# Altium PCB PCB5.PcbDoc (part 2 of 2)
Units mm, origin at the board's own origin, x right, y up, seen from the top; angles counter-clockwise.
Board outline 73.53 x 115.71 mm, 4 copper layers (Top Layer, GROUND, POWER, Bottom Layer), stack 0.603 mm thick; 96 components, 79 nets, 386 pads, 1017 vias.
Unrouted connection lines stored in the file: 10.
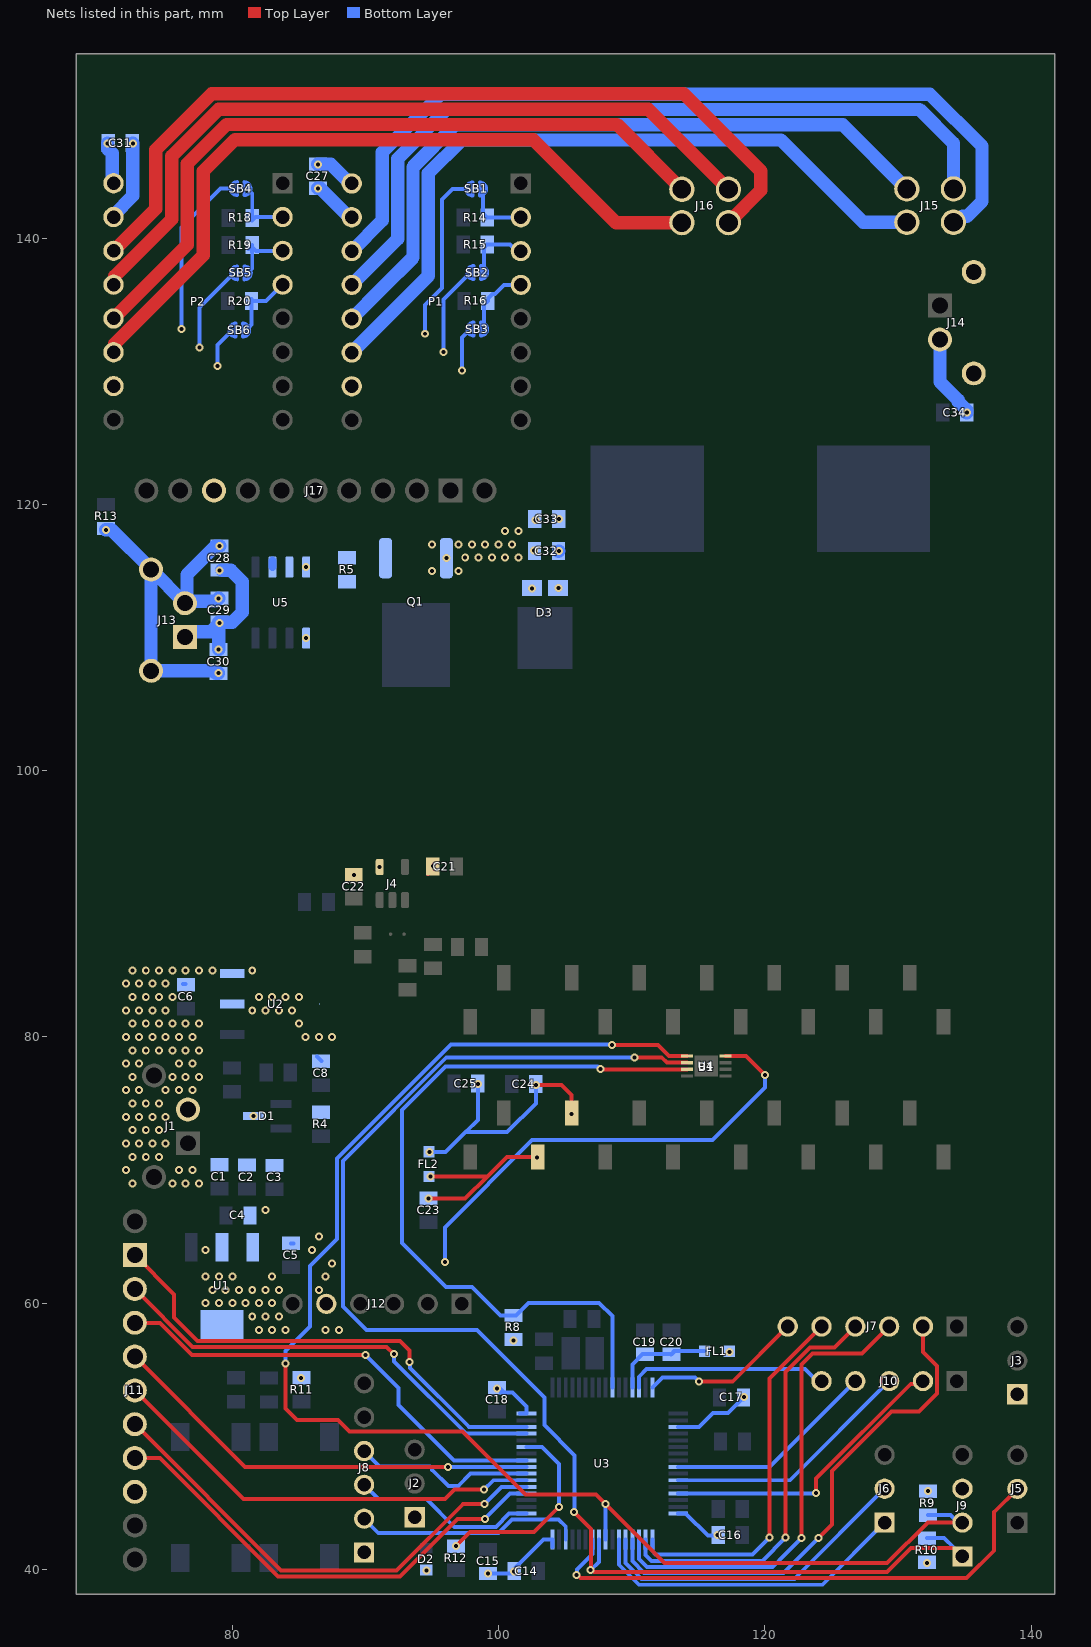
[diagram p4: the nets of this part, all layers, seen from the top]

## Via types
v1: diameter 0.6, hole 0.3, Top Layer to Bottom Layer, 1017 vias

## Nets (pads, with @x,y where several pads share a name; then routed paths per layer and width w, separated by ;. In a path a pad name is that pad's centre, name@x,y a point inside that pad or via, vN(x,y) a via of type N, cw(c..) or ccw(c..) an arc to the next point about the centre after c; other vN are vias at no path point) (continued)
NetJ5_02: J5.02 U3.42 | length 40.8
  Top Layer w0.3: v1(105.85,39.6) 105.926,39.6 106.176,39.35 135.168,39.35 137.239,41.42 137.239,44.314 J5.02@138.975,46.05
  Bottom Layer w0.3: v1(105.85,39.6) 105.905,39.655 105.905,40.005 107.05,41.15 U3.42@107.05,42.25
NetJ6_01: J6.01 U3.38 | length 24.4
  Bottom Layer w0.3: U3.38@109.05,42.25 109.05,40.352 110.552,38.85 124.325,38.85 J6.01@129,43.525
NetJ6_02: J6.02 U3.37 | length 24.5
  Bottom Layer w0.3: U3.37@109.55,42.25 109.55,40.489 110.739,39.3 122.235,39.3 J6.02@129,46.065
NetJ7_02: J7.02 U3.36 | length 38.3
  Top Layer w0.3: v1(124.025,42.35) 125.05,43.375 125.05,47.389 129.536,51.875 131.6,51.875 132.947,53.222 132.947,55.283 131.885,56.345 J7.02@131.885,58.25
  Bottom Layer w0.3: U3.36@110.05,42.25 110.05,40.625 110.925,39.75 121.425,39.75 v1(124.025,42.35)
NetJ7_03: J7.03 U3.35 | length 35.6
  Top Layer w0.3: v1(122.775,42.375) 122.775,55.4 123.6,56.225 127.32,56.225 J7.03@129.345,58.25
  Bottom Layer w0.3: U3.35@110.55,42.25 110.55,40.8 111.15,40.2 120.6,40.2 121.5,41.1 v1(122.775,42.375)
NetJ7_04: J7.04 U3.34 | length 31.6
  Top Layer w0.3: v1@121.575,42.426 121.575,54.836 123.414,56.675 125.23,56.675 J7.04@126.805,58.25
  Bottom Layer w0.3: U3.34@111.05,42.25 111.05,41.1 111.5,40.65 119.825,40.65 v1(121.575,42.4)
NetJ7_05: J7.05 U3.33 | length 27.8
  Top Layer w0.3: v1(120.35,42.4) 120.35,54.335 J7.05@124.265,58.25
  Bottom Layer w0.3: U3.33@111.55,42.25 111.55,41.375 111.8,41.125 119.075,41.125 v1(120.35,42.4)
NetJ7_06: J7.06 U3.16 | length 12.3
  Top Layer w0.3: v1(115.074,54.1) 117.575,54.1 J7.06@121.725,58.25
  Bottom Layer w0.3: U3.16@111.55,53.65 112.325,54.425 114.749,54.425 v1(115.074,54.1)
NetJ8_02: J8.02 U3.46 | length 17.2
  Bottom Layer w0.3: J8.02@89.9,43.815 90.965,42.75 100,42.75 101,43.75 104.511,43.75 105.05,43.211 U3.46@105.05,42.25
NetJ8_03: J8.03 U3.49 | length 13.9
  Bottom Layer w0.3: J8.03@89.9,46.355 90.98,45.275 94.6,45.275 96.675,43.2 99.8,43.2 100.8,44.2 U3.49@102.1,44.2
NetJ8_04: J8.04 U3.55 | length 13.7
  Bottom Layer w0.3: J8.04@89.9,48.895 91.07,47.725 94.845,47.725 95.021,47.549 95.021,47.479 96.225,46.275 96.975,46.275 97.9,47.2 U3.55@102.1,47.2
NetJ9_01: J9.01 R10.1 U3.41 U4.2 | length 107.4
  Top Layer w0.3: v1(105.675,44.325) 106.95,43.05 106.95,39.975 v1(106.925,39.95) 107.006,39.95 107.156,39.8 129.175,39.8 130.975,41.6 134.062,41.6 134.07,41.592 134.238,41.592 J9.01@134.85,40.98 ; v1(110.2,78.475) 112.249,78.475 112.657,78.067 U4.2@114.162,78.067
  Bottom Layer w0.3: v1(105.675,44.325) 105.725,44.375 105.725,48.575 103.45,50.85 103.45,52.925 98.4,57.975 90.075,57.975 88.3,59.75 88.3,70.686 96.089,78.475 v1(110.2,78.475) ; v1(106.925,39.95) 107.55,40.575 U3.41@107.55,42.25 ; R10.1@132.175,42.35 133.48,42.35 134.238,41.592 J9.01@134.85,40.98
NetJ9_02: J9.02 R9.1 U3.40 U4.1 | length 113.1
  Top Layer w0.3: v1(84,55.475) 84,52.075 84.85,51.225 87.95,51.225 88.802,50.373 97.285,50.373 97.705,49.953 97.705,49.944 102.024,45.625 107.325,45.625 v1(108.025,44.925) 112.475,40.475 129.2,40.475 132.245,43.52 J9.02@134.85,43.52 ; v1(108.525,79.4) 108.531,79.394 111.967,79.394 112.793,78.567 U4.1@114.162,78.567
  Bottom Layer w0.3: v1(84,55.475) 84,56.425 85.825,58.25 85.825,62.8 87.85,64.825 87.85,70.873 96.427,79.45 108.475,79.45 v1(108.525,79.4) ; v1(108.025,44.925) 108.05,44.9 U3.40@108.05,42.25 ; R9.1@132.25,44.075 133.964,44.075 134.519,43.52 J9.02@134.85,43.52
NetJ10_02: J10.02 U3.29 | length 22.5
  Top Layer w0.3: v1@123.85,45.736 123.85,46.825 130.973,53.948 131.683,53.948 J10.02@131.885,54.15
  Bottom Layer w0.3: U3.29@113.5,45.7 123.825,45.7 v1(123.85,45.725)
NetJ10_03: J10.03 U3.27 | length 18.9
  Bottom Layer w0.3: U3.27@113.5,46.7 121.895,46.7 J10.03@129.345,54.15
NetJ10_04: J10.04 U3.25 | length 16
  Bottom Layer w0.3: U3.25@113.5,47.7 120.355,47.7 J10.04@126.805,54.15
NetJ10_05: J10.05 U3.14 | length 15.2
  Bottom Layer w0.3: U3.14@110.55,53.65 110.55,54.474 111.126,55.05 123.034,55.05 123.934,54.15 J10.05@124.265,54.15
NetJ11_1: J11.1 U3.62 | length 36.5
  Top Layer w0.3: J11.1@72.675,63.61 75.625,60.66 75.625,58.925 77.375,57.175 92.589,57.175 93.325,56.439 v1(93.325,55.575)
  Bottom Layer w0.3: v1(93.325,55.575) 93.355,55.545 93.355,55.145 97.8,50.7 U3.62@102.1,50.7
NetJ11_2: J11.2 U3.61 | length 34.2
  Top Layer w0.3: J11.2@72.675,61.07 77.02,56.725 91.6,56.725 v1(92.15,56.175)
  Bottom Layer w0.3: v1(92.15,56.175) 92.15,55.625 97.575,50.2 U3.61@102.1,50.2
NetJ11_3: J11.3 U3.57 | length 34.5
  Top Layer w0.3: J11.3@72.675,58.53 74.579,58.53 76.984,56.125 v1(90,56.125)
  Bottom Layer w0.3: v1(90,56.125) 92.5,53.625 92.5,52.35 96.65,48.2 U3.57@102.1,48.2
NetJ11_4: J11.4 U3.56 | length 32.9
  Top Layer w0.3: J11.4@72.675,55.99 80.965,47.7 v1(96.2,47.7)
  Bottom Layer w0.3: v1(96.2,47.7) U3.56@102.1,47.7
NetJ11_5: J11.5 U3.54 | length 33.4
  Top Layer w0.3: J11.5@72.675,53.45 80.832,45.293 95.993,45.293 96.7,46 v1(98.925,46)
  Bottom Layer w0.3: v1(98.925,46) 99.625,46.7 U3.54@102.1,46.7
NetJ11_6: J11.6 U3.53 | length 36.6
  Top Layer w0.3: J11.6@72.675,50.91 83.66,39.925 92.35,39.925 97.35,44.925 v1(98.95,44.925)
  Bottom Layer w0.3: v1(98.95,44.925) 100.225,46.2 U3.53@102.1,46.2
NetJ11_7: J11.7 U3.52 | length 35.7
  Top Layer w0.3: J11.7@72.675,48.37 74.555,48.37 83.45,39.475 92.6,39.475 96.925,43.8 v1(98.975,43.8)
  Bottom Layer w0.3: v1(98.975,43.8) 98.975,43.825 100.85,45.7 U3.52@102.1,45.7
NetJ15_1: J15.1 P1.11 | length 55.4
  Bottom Layer w1: P1.11@88.975,131.415 94.725,137.165 94.725,144.875 97.225,147.375 121.225,147.375 127.4,141.2 J15.1@130.675,141.2
NetJ15_2: J15.2 P1.14 | length 63.8
  Bottom Layer w1: P1.14@88.975,139.035 91.275,141.335 91.275,146.451 95.649,150.825 132.4,150.825 136.325,146.9 136.325,142.775 135.197,141.647 134.867,141.647 134.37,141.15 J15.2@134.175,141.15
NetJ15_3: J15.3 P1.12 | length 53.7
  Bottom Layer w1: P1.12@88.975,133.955 91.248,136.228 93.575,138.555 93.575,145.351 96.749,148.525 102.876,148.525 125.85,148.525 J15.3@130.675,143.7
NetJ15_4: J15.4 P1.13 | length 58.7
  Bottom Layer w1: P1.13@88.975,136.495 92.425,139.945 92.425,145.975 96.125,149.675 101.847,149.675 131.625,149.675 134.175,147.125 J15.4@134.175,143.7
NetJ16_1: J16.1 P2.11 | length 55.9
  Top Layer w1: P2.11@71.08,131.434 71.18,131.534 71.18,132.077 77.825,138.722 77.825,145.025 80.2,147.4 102.6,147.4 108.825,141.175 J16.1@113.775,141.175
NetJ16_2: J16.2 P2.14 | length 63.4
  Top Layer w1: P2.14@71.08,139.054 74.25,142.224 74.25,146.65 78.45,150.85 113.9,150.85 119.7,145.05 119.7,143.6 J16.2@117.275,141.175
NetJ16_3: J16.3 P2.12 | length 54.3
  Top Layer w1: P2.12@71.08,133.974 76.625,139.519 76.625,145.6 79.575,148.55 108.9,148.55 J16.3@113.775,143.675
NetJ16_4: J16.4 P2.13 | length 57.6
  Top Layer w1: P2.13@71.18,136.514 71.18,137.157 75.45,141.427 75.45,146.175 78.975,149.7 111.25,149.7 J16.4@117.535,143.415
NetP1_2: P1.2 R14.2 SB1.2 | length 4.8
  Bottom Layer w0.3: SB1.2@98.833,143.7 98.833,143.26 98.833,141.867 R14.2@99.15,141.55 99.175,141.575 P1.2@101.675,141.575
NetP1_3: P1.3 R15.2 SB2.2 | length 4.9
  Bottom Layer w0.3: SB2.2@98.908,137.425 98.908,137.865 98.908,139.283 R15.2@99.15,139.525 100.854,139.525 101.344,139.035 P1.3@101.675,139.035
NetP1_4: P1.4 R16.2 SB3.2 | length 5.3
  Bottom Layer w0.3: SB3.2@98.908,133.175 98.908,133.615 98.908,135.008 R16.2@99.2,135.3 99.2,135.475 99.55,135.825 99.725,135.825 100.395,136.495 P1.4@101.675,136.495
NetP2_2: P2.2 R18.2 SB4.2 | length 5.3
  Bottom Layer w0.3: SB4.2@81.133,143.725 81.342,143.516 81.5,143.358 R18.2@81.5,141.525 R18.2@81.15,141.875 ; R18.2@81.475,141.325 81.744,141.594 P2.2@83.78,141.594
NetP2_3: P2.3 R19.2 SB5.2 | length 5.2
  Bottom Layer w0.3: SB5.2@81.158,137.4 81.367,137.609 81.5,137.742 R19.2@81.5,139.325 ; R19.2@81.233,139.208 R19.2@81.5,139.475 R19.2@81.5,139.325 ; R19.2@81.475,138.975 R19.2@81.475,139.15 ; P2.3@83.78,139.054 81.771,139.054 R19.2@81.5,139.325
NetP2_4: P2.4 R20.2 SB6.2 | length 5.4
  Bottom Layer w0.3: SB6.2@81.033,133.1 81.242,133.309 81.45,133.517 R20.2@81.45,135.275 ; R20.2@81.45,135.45 R20.2@81.45,135.275 ; R20.2@81.489,135.314 R20.2@81.45,135.275 ; P2.4@83.78,136.514 82.541,135.275 R20.2@81.45,135.275
NetQ1_1: Q1.1 R5.2
NetR5_1: R5.1 U5.6 U5.7 | length 0.5
  Bottom Layer w0.6: U5.6@83.015,115.295 83.015,115.785 U5.6@83.035,115.785
NetR8_1: R8.1 U3.10 U4.3 | length 57.1
  Top Layer w0.3: v1(107.675,77.6) 107.708,77.567 U4.3@114.162,77.567
  Bottom Layer w0.3: v1(107.675,77.6) 107.594,77.6 107.419,77.775 96.025,77.775 92.75,74.5 92.75,64.525 96.05,61.225 98,61.225 100.15,59.075 R8.1@101.125,59.075 101.3,59.075 102.25,60.025 107.549,60.025 108.55,59.024 U3.10@108.55,53.65
NetR12_1: R12.1 U3.59 | length 15.2
  Top Layer w0.3: v1(96.8,41.75) 97.85,42.8 102.65,42.8 v1(104.525,44.675)
  Bottom Layer w0.3: U3.59@102.1,49.2 103.275,49.2 104.55,47.925 104.55,44.7 v1(104.525,44.675)
PGND2: C27.2 C28.1 C29.1 C30.1 C31.2 C32.1 C33.1 C34.1 D3.1 D3.2 J13.2 J13.MH1 J13.MH2 J14.2 J14.MH1 J14.MH2 P1.15 P2.15 R13.2 | length 46.5
  Bottom Layer w0.3: v1(70.5,118.1) R13.2@70.75,117.85 ; C30.1@78.625,107.65 78.925,107.35 C30.1@78.975,107.3 ; C29.1@78.85,112.95 v1(78.975,112.95) C29.1@79.025,112.95 C29.1@79.2,112.95 ; C28.1@78.85,116.875 C28.1@79.025,116.875 ; P1.15@88.775,141.575 P1.15@88.975,141.575
  Bottom Layer w1: v1(70.5,118.1) 70.925,118.1 J13.MH2@73.9,115.125 ; P2.15@71.08,141.594 71.08,141.736 72.525,143.181 v1(72.525,147.125) ; C30.1@78.925,107.35 v1(78.95,107.35) ; C30.1@78.95,107.3 78.8,107.3 78.595,107.505 J13.MH1@73.9,107.505 J13.MH2@73.9,115.125 ; v1(78.975,112.95) 78.763,112.738 J13.2@76.593,112.738 ; v1(79.05,116.875) 78.731,116.875 76.593,114.737 J13.2@76.593,112.738 ; v1(86.425,143.75) 86.6,143.75 88.675,141.675 88.875,141.675 P1.15@88.975,141.575 ; C32.1@104.5,116.475 v1(104.525,116.5) ; J14.2@133.16,132.39 133.16,129.209 134.525,127.844 134.525,127.725 135.175,127.075 v1(135.175,126.9) ; J13.MH2@73.9,115.125 J13.2@76.44,112.585 J13.2@76.593,112.738
  other v1: 102.525,113.7 104.5,113.725 104.525,118.9
VBB2: C27.1 C28.2 C29.2 C30.2 C31.1 C32.2 C33.2 J13.1 P1.16 P2.16 Q1.3 U5.1 U5.8 | length 19
  Bottom Layer w0.3: P2.16@71.08,144.134 P2.16@71.08,144.465 ; C29.2@79.025,111.15 C29.2@79.174,111.299 ; C28.2@79.025,115.075 79.05,115.075 C28.2@79.2,115.075
  Bottom Layer w1: v1(70.625,147.125) 70.625,146.731 70.98,146.376 70.98,144.234 P2.16@71.08,144.134 ; J13.1@76.84,109.645 J13.1@76.44,110.045 76.84,110.445 78.395,110.445 v1(79.05,111.1) C29.2@79.1,111.15 ; v1(78.975,109.1) 78.975,111.15 C29.2@79.05,111.15 ; C29.2@79.15,111.15 80,111.15 80.748,111.898 80.748,114.202 79.9,115.05 79.225,115.05 C28.2@79.2,115.075 ; v1(86.425,145.55) 87.398,145.55 88.833,144.115 P1.16@88.975,144.115
  other v1: 85.555,109.955 95,115 97,115 79.05,115.05 85.555,115.295 96.086,115.965 97.5,116 98.5,116 99.5,116 100.5,116 101.5,116 102.675,116.55 95,117 97,117 98,117 99,117 100,117 101,117 100.5,118 101.5,118 102.775,118.825
VCC: C1.2 C2.2 C3.2 C4.2 C6.2 J1.2 U1.3 U2.3 | length 0.2
  Bottom Layer w0.3: C6.2@76.3,83.975 C6.2@76.5,83.975
  other v1: 82.5,67 72.5,69 75.5,69 76.5,69 77.5,69 72,70 76,70 77,70 72.5,71 73.5,71 74.5,71 72,72 73,72 74,72 75,72 72.5,73 73.5,73 74.5,73 72,74 73,74 74,74 75,74 72.5,75 73.5,75 74.5,75 72,76 73,76 75,76 76,76 77,76 72.5,77 75.5,77 76.5,77 77.5,77 72,78 73,78 76,78 77,78 72.5,79 73.5,79 74.5,79 75.5,79 76.5,79 77.5,79 72,80 73,80 74,80 75,80 76,80 77,80 72.5,81 73.5,81 74.5,81 75.5,81 76.5,81 77.5,81 72,82 73,82 74,82 75,82 72.5,83 73.5,83 74.5,83 75.5,83 72,84 73,84 74,84 75,84 72.5,85 73.5,85 74.5,85 75.5,85 76.5,85 77.5,85 78.5,85 81.5,85
VDD: C5.2 C14.1 C15.1 C16.1 C17.1 C18.1 D2.A FL1.2 J2.01 J3.01 J8.01 J9.03 J11.8 J12.05 R8.2 R9.2 R10.2 R11.2 U1.2 U1.4 U3.19 U3.32 U3.48 U3.64 U4.8 | length 56.6
  Top Layer w0.3: U4.8@117.052,78.567 118.608,78.567 v1(120.025,77.15)
  Bottom Layer w0.3: C5.2@84.425,64.5 C5.2@84.6,64.5 ; v1(95.975,63.1) 95.975,65.7 102.525,72.25 116.075,72.25 120.025,76.2 v1(120.025,77.15) ; C15.1@99.3,39.775 v1(99.225,39.7) 101.025,39.7 v1(101.175,39.85) C14.1@101.175,39.875 101.175,40.05 103.375,42.25 U3.48@104.05,42.25 U3.48@104.05,41.669 ; U3.64@101.601,51.7 U3.64@102.1,51.7 102.1,52.25 101.05,53.3 C18.1@100.425,53.3 ; U3.32@113.5,44.2 114.1,44.2 114.1,44.175 115.726,42.549 116.44,42.549 v1(116.466,42.575) ; U3.19@113.5,50.7 115.075,50.7 116.125,51.75 117.25,51.75 118.4,52.9 C17.1@118.4,52.925 ; C17.1@118.4,52.75 118.45,52.8 v1(118.45,52.95) ; C18.1@100.425,53.3 100.2,53.3 v1(99.9,53.6) 100.125,53.6 C18.1@100.425,53.3
  other v1: 94.6,39.925 132.175,40.475 132.275,45.875 85.175,54.375 117.35,56.35 101.125,57.2 82,58 83,58 84,58 87,58 88,58 81.5,59 82.5,59 83.5,59 78,60 79,60 80,60 81,60 82,60 83,60 78.5,61 79.5,61 80.5,61 81.5,61 82.5,61 83.5,61 86.5,61 78,62 79,62 80,62 83,62 87,62 87.5,63 78,64 86,64 86.5,65
VDD2: J17.8 P1.10 P2.10 SB1.1 SB2.1 SB3.1 SB4.1 SB5.1 SB6.1 | length 45.8
  Bottom Layer w0.3: v1(76.2,133.175) 76.2,140.8 79.125,143.725 SB4.1@80.117,143.725 ; v1(77.55,131.8) 77.55,134.808 SB5.1@80.142,137.4 ; v1(78.9,130.4) 78.9,131.983 SB6.1@80.017,133.1 ; v1(94.475,132.825) 94.475,134.975 95.75,136.25 95.75,142.9 96.55,143.7 SB1.1@97.817,143.7 ; v1(95.85,131.45) 95.85,135.383 SB2.1@97.892,137.425 ; v1(97.25,130.05) 97.25,132.533 SB3.1@97.892,133.175
VDDA: C19.1 C20.1 FL1.1 U3.13 | length 7.9
  Bottom Layer w0.3: U3.13@110.05,53.65 110.05,55.4 110.825,56.175 C19.1@111,56.175 C20.1@113,56.175 ; C20.1@112.975,56.15 C20.1@113,56.175 ; C20.1@113.175,56.35 C20.1@113.015,56.19 ; FL1.1@115.471,56.4 113.175,56.4 112.975,56.2 112.985,56.19 C20.1@113.015,56.19 ; C20.1@113,56.175 C20.1@113.015,56.19
VTCD: B1.1 C8.2 C23.1 D1.3 FL2.2 R4.1 U2.2 U2.4 | length 14.4
  Top Layer w0.3: v1(94.725,67.85) 97.494,67.85 99.169,69.525 ; v1(94.875,69.525) 99.169,69.525 ; B1.1@102.948,70.981 100.625,70.981 99.169,69.525
  Bottom Layer w0.3: C8.2@86.375,78.525 C8.2@86.7,78.2 ; C23.1@94.75,67.875 C23.1@94.925,67.875
  other v1: 102.9,70.95 81.584,74.05 85.5,80 86.5,80 87.5,80 85,81 81.5,82 82.5,82 83.5,82 84.5,82 82,83 83,83 84,83 85,83
VTCDA: B1.2 C21.1 C22.1 C24.1 C25.1 FL2.1 J4.5 | length 20.2
  Top Layer w0.3: v1(89.125,92.175) C22.1@89.3,92.175 ; C21.1@94.7,92.25 94.7,92.45 C21.1@95.05,92.8 ; v1(102.8,76.4) 104.725,76.4 105.488,75.637 B1.2@105.488,74.281
  Bottom Layer w0.3: FL2.1@94.8,71.35 96.025,71.35 97.525,72.85 100.639,72.85 102.8,75.011 v1(102.8,76.4) C24.1@102.8,76.45 C24.1@102.85,76.4 ; 97.575,72.9 98.45,73.775 C25.1@98.45,76.5
  other v1: 94.8,71.375 105.5,74.225 98.475,76.45 91.075,92.77 95.075,92.825
pads on no net: D1.2 U3.1 U3.2 U3.3 U3.4 U3.8 U3.9 U3.11 U3.23 U3.24 U3.39 U3.44 U3.45 U3.50 U3.51 U5.3

## Polygon pours and split planes (outlines as drawn)
VDD on Bottom Layer "VDD_L04_P009" (solid, remove dead copper, pour order 9): 77.525,65.475 77.525,57.225 88.625,57.225 88.625,65.55 82.5,65.55 82.5,64.6 82.5,62.5 80.125,62.5 80.125,63.45 80.125,65.475
VCC on Bottom Layer "VCC_L04_P034" (solid, remove dead copper, pour order 34): 78.1,84.25 78.575,84.25 81.925,84.25 81.925,85.8 71.675,85.8 71.675,72.575 71.675,67.725 74.3,67.725 74.3,65.775 80.625,65.775 80.625,65.55 80.625,65.325 80.625,65.025 80.625,63 82.3,63 82.3,63.1 82.3,63.225 82.3,65.975 84.525,68.2 84.525,71.2 82.375,71.2 78.1,71.2 78.1,71.95
NetC7_2 on Bottom Layer "NETC7_2_L04_P032" (solid, remove dead copper, pour order 32): 82.6,71.65 82.6,72.025 82.6,73.725 82.6,75.25 81.525,75.25 81.525,76.725 78.65,76.725 78.65,81.075 83.425,81.075 83.425,76.075 85.4,76.075 85.4,73.55 88.05,73.55 88.05,71.65
VTCD on Bottom Layer "VTCD_L04_P033" (solid, remove dead copper, pour order 33): 78.55,83.8 78.425,83.8 78.425,81.35 84.3,81.35 84.325,81.35 84.325,81.275 84.325,79.075 85.475,79.075 85.625,79.075 85.625,73.7 88.125,73.7 88.125,84.4 82.325,84.4 82.325,83.8
NetQ1_1 on Bottom Layer "NETQ1_1_L04_P031" (solid, remove dead copper, pour order 31): 87.45,117.875 87.45,115.1 88.175,115.1 90.45,115.1 90.45,114.175 91.125,114.175 92.75,114.175 92.75,117.75 92.75,117.875
NetR5_1 on Bottom Layer "NETR5_1_L04_P030" (solid, remove dead copper, pour order 30): 82.475,117.749 82.475,113.125 90,113.125 90.05,113.125 90.05,113.325 90.05,114.95 87.275,114.95 87.275,116.5 87.275,117.749
NetC34_2 on Bottom Layer "NETC34_2_L04_P029" (solid, remove dead copper, pour order 29): 121.875,105.875 121.875,138.675 121.875,139.25 140.825,139.25 140.825,105.824 140.3,105.825
VBB2 on Bottom Layer "VBB2_L04_P027" (solid, remove dead copper, pour order 27): 103.6,120 103.6,119.975 103.6,115.2 97.8,115.2 97.8,114.025 94.7,114.025 94.7,117.975 94.925,117.975 99.675,117.975 101.65,120
NetD3_3 on Bottom Layer "NETD3_3_L04_P025" (solid, remove dead copper, pour order 25): 106.075,112.825 88.35,112.825 88.35,106 120.575,106 120.575,126.25 106.075,126.25
AGND on Top Layer "AGND_L01_P035" (solid, remove dead copper, pour order 35): 92.7,61.59 94.065,58.987 94.825,58.15 98.325,54.725 98.325,52.109 99.841,50.65 114.975,50.65 115.35,50.65 118.5,50.65 118.5,48.7 99.85,48.7 95,53.55 95,55.25 95,55.365 91.107,59.257 90.611,60.489 89.75,61.775 89.4,63.125 89.4,64.775 89.387,64.788 89.387,76.062 89.375,76.075 89.375,83.65 88.025,85 88.025,85.2 88.025,92.95 88.775,93.7 96.375,93.7 96.375,91.6 101.175,86.8 106.825,86.8 106.825,82.75 101.908,82.75 96.375,83.05 96.375,80.05 92.7,80.05
AGND on Top Layer "AGND_L01_P014" (solid, remove dead copper, pour order 14): 96.3,81.775 96.3,80.05 96.225,79.975 96.275,79.925 121.975,79.925 121.975,75.725 114.95,75.725 114.95,69.8 135.05,69.8 135.075,69.825 135.075,85.65 106.825,85.65 106.825,83.05 96.25,83.05
NetD3_3 on Top Layer "NETD3_3_L01_P024" (solid, remove dead copper, pour order 24): 131.375,136.65 131.375,105.875 88.35,105.875 88.35,112.925 106.275,112.925 106.275,136.65
VCC on POWER (split plane): 141.29,95.061 102.172,95.061 101.912,95.061 101.872,95.057 101.832,95.055 101.319,94.974 101.28,94.964 101.241,94.955 100.747,94.795 100.711,94.778 100.673,94.764 100.256,94.551 88.925,94.551 88.866,94.546 88.81,94.529 88.758,94.501 88.712,94.463 86.137,91.888 86.099,91.842 86.071,91.79 86.054,91.734 86.049,91.675 86.049,86.776 84.725,86.776 84.666,86.771 84.61,86.754 84.558,86.726 84.512,86.688 81.95,84.126 78.4,84.126 78.341,84.121 78.285,84.104 78.233,84.076 78.187,84.038 78.149,83.992 78.121,83.94 78.104,83.884 78.099,83.825 78.099,82.775 78.099,76.425 78.099,73.6 78.104,73.541 78.121,73.485 78.149,73.433 78.187,73.387 80.187,71.387 80.233,71.349 80.285,71.321 80.341,71.304 80.4,71.299 84.05,71.299 84.574,70.775 84.574,68.15 82.562,66.138 82.524,66.092 82.496,66.04 82.479,65.984 82.474,65.925 82.474,63.025 81.9,62.451 81.125,62.451 80.726,62.85 80.726,65.15 80.721,65.209 80.704,65.265 80.676,65.317 80.638,65.363 77.938,68.063 77.892,68.101 77.84,68.129 77.784,68.146 77.725,68.151 68.777,68.151 68.777,104.523 141.29,104.523
VDD2 on POWER (split plane): 103.349,142.9 103.349,122.425 102.012,121.088 100.325,119.401 68.777,119.401 68.777,132.074 72.925,132.074 72.984,132.079 73.04,132.096 73.092,132.124 73.138,132.162 76.413,135.437 76.451,135.483 76.479,135.535 76.496,135.591 76.501,135.65 76.501,141.875 79.325,144.699 82.275,144.699 85.174,141.8 85.174,132.525 85.179,132.466 85.196,132.41 85.224,132.358 85.262,132.312 86.812,130.762 86.858,130.724 86.91,130.696 86.966,130.679 87.025,130.674 90.775,130.674 90.834,130.679 90.89,130.696 90.942,130.724 90.988,130.762 93.688,133.462 93.726,133.508 93.754,133.56 93.771,133.616 93.776,133.675 93.776,143.175 95.975,145.374 100.875,145.374
VBB2 on POWER (split plane): 141.29,105.527 68.777,105.527 68.777,118.799 100.45,118.799 100.509,118.804 100.565,118.821 100.617,118.849 100.663,118.887 102.438,120.662 103.863,122.087 103.901,122.133 103.929,122.185 103.946,122.241 103.951,122.3 103.951,143.025 103.946,143.084 103.929,143.14 103.901,143.192 103.863,143.238 101.213,145.888 101.167,145.926 101.115,145.954 101.059,145.971 101,145.976 95.85,145.976 95.791,145.971 95.735,145.954 95.683,145.926 95.637,145.888 93.262,143.513 93.224,143.467 93.196,143.415 93.179,143.359 93.174,143.3 93.174,133.8 90.65,131.276 87.15,131.276 85.776,132.65 85.776,141.925 85.771,141.984 85.754,142.04 85.726,142.092 85.688,142.138 82.613,145.213 82.567,145.251 82.515,145.279 82.459,145.296 82.4,145.301 79.2,145.301 79.141,145.296 79.085,145.279 79.033,145.251 78.987,145.213 75.987,142.213 75.949,142.167 75.921,142.115 75.904,142.059 75.899,142 75.899,135.775 72.8,132.676 68.777,132.676 68.777,153.34 141.29,153.34
VDD on POWER (split plane): 93.49,64.684 93.535,64.646 93.588,64.619 93.644,64.601 93.703,64.596 98.361,64.596 98.361,64.121 98.365,64.081 98.368,64.041 98.449,63.528 98.459,63.489 98.468,63.45 98.628,62.956 98.644,62.92 98.659,62.882 98.895,62.419 98.916,62.386 98.936,62.351 99.242,61.931 99.268,61.901 99.294,61.87 99.661,61.503 99.692,61.477 99.722,61.451 100.142,61.145 100.177,61.125 100.21,61.104 100.673,60.868 100.711,60.853 100.747,60.837 101.241,60.677 101.28,60.668 101.319,60.658 101.832,60.577 101.872,60.574 101.912,60.57 141.29,60.57 141.29,38.655 68.777,38.655 68.777,67.549 77.6,67.549 80.124,65.025 80.124,62.725 80.129,62.666 80.146,62.61 80.174,62.558 80.212,62.512 80.787,61.937 80.833,61.899 80.885,61.871 80.941,61.854 81,61.849 82.025,61.849 82.084,61.854 82.14,61.871 82.192,61.899 82.238,61.937 82.988,62.687 83.026,62.733 83.054,62.785 83.071,62.841 83.076,62.9 83.076,65.8 85.088,67.812 85.126,67.858 85.154,67.91 85.171,67.966 85.176,68.025 85.176,70.599 87.575,70.599
VTCDA on POWER (split plane): 99.294,93.762 99.268,93.731 99.242,93.701 98.936,93.28 98.916,93.246 98.895,93.212 98.659,92.749 98.644,92.712 98.628,92.675 98.468,92.181 98.459,92.142 98.449,92.103 98.368,91.59 98.365,91.55 98.361,91.511 98.361,90.991 98.365,90.951 98.368,90.911 98.449,90.398 98.459,90.359 98.468,90.32 98.628,89.826 98.644,89.79 98.659,89.752 98.895,89.289 98.916,89.256 98.936,89.221 99.242,88.801 99.268,88.771 99.294,88.74 99.661,88.373 99.692,88.347 99.722,88.321 100.142,88.015 100.177,87.995 100.21,87.974 100.673,87.738 100.711,87.723 100.747,87.707 101.241,87.547 101.28,87.538 101.319,87.528 101.832,87.447 101.872,87.444 101.912,87.44 103.724,87.44 103.724,79.4 103.729,79.341 103.746,79.285 103.774,79.233 103.812,79.187 107.049,75.95 107.049,73.7 106.375,73.026 98.2,73.026 98.141,73.021 98.085,73.004 98.033,72.976 97.987,72.938 95.7,70.651 93.9,70.651 93.451,71.1 93.451,81.925 93.446,81.984 93.429,82.04 93.401,82.092 93.363,82.138 92.313,83.188 88.813,86.688 88.767,86.726 88.715,86.754 88.659,86.771 88.6,86.776 86.651,86.776 86.651,91.55 89.05,93.949 99.481,93.949
VTCD on POWER (split plane): 141.29,68.191 102.172,68.191 101.912,68.191 101.872,68.187 101.832,68.185 101.319,68.104 101.28,68.094 101.241,68.085 100.747,67.925 100.711,67.908 100.673,67.894 100.21,67.658 100.177,67.636 100.142,67.616 99.722,67.311 99.692,67.284 99.661,67.259 99.294,66.892 99.268,66.861 99.242,66.831 98.936,66.41 98.916,66.376 98.895,66.342 98.659,65.879 98.644,65.842 98.628,65.805 98.468,65.311 98.459,65.272 98.449,65.233 98.443,65.198 93.828,65.198 87.913,71.113 87.867,71.151 87.815,71.179 87.759,71.196 87.7,71.201 85,71.201 84.388,71.813 84.342,71.851 84.29,71.879 84.234,71.896 84.175,71.901 80.525,71.901 78.701,73.725 78.701,76.425 78.701,82.775 78.701,83.524 82.075,83.524 82.134,83.529 82.19,83.546 82.242,83.574 82.288,83.612 84.85,86.174 86.35,86.174 86.409,86.179 86.45,86.192 86.491,86.179 86.55,86.174 88.475,86.174 91.887,82.762 92.849,81.8 92.849,70.975 92.854,70.916 92.871,70.86 92.899,70.808 92.937,70.762 93.562,70.137 93.608,70.099 93.66,70.071 93.716,70.054 93.775,70.049 95.825,70.049 95.884,70.054 95.94,70.071 95.992,70.099 96.038,70.137 98.325,72.424 106.5,72.424 106.559,72.429 106.615,72.446 106.667,72.474 106.713,72.512 107.563,73.362 107.601,73.408 107.629,73.46 107.646,73.516 107.651,73.575 107.651,76.075 107.646,76.134 107.629,76.19 107.601,76.242 107.563,76.288 104.326,79.525 104.326,87.44 141.29,87.44
PGND2 on GROUND (split plane): 141.29,105.527 68.777,105.527 68.777,118.799 78.8,118.799 80.199,117.4 80.199,108.95 80.204,108.891 80.221,108.835 80.249,108.783 80.287,108.737 81.237,107.787 81.283,107.749 81.335,107.721 81.391,107.704 81.45,107.699 82.825,107.699 82.884,107.704 82.94,107.721 82.992,107.749 83.038,107.787 83.963,108.712 84.001,108.758 84.029,108.81 84.046,108.866 84.051,108.925 84.051,115.125 87.725,118.799 100.5,118.799 100.559,118.804 100.615,118.821 100.667,118.849 100.713,118.887 103.888,122.062 103.926,122.108 103.954,122.16 103.971,122.216 103.976,122.275 103.976,143.025 103.971,143.084 103.954,143.14 103.926,143.192 103.888,143.238 101.238,145.888 101.192,145.926 101.14,145.954 101.084,145.971 101.025,145.976 95.825,145.976 95.766,145.971 95.71,145.954 95.658,145.926 95.612,145.888 93.237,143.513 93.199,143.467 93.171,143.415 93.154,143.359 93.149,143.3 93.149,133.75 90.7,131.301 87.15,131.301 85.751,132.7 85.751,142.175 85.746,142.234 85.729,142.29 85.701,142.342 85.663,142.388 84.813,143.238 84.767,143.276 84.715,143.304 84.659,143.321 84.6,143.326 79.275,143.326 79.216,143.321 79.16,143.304 79.108,143.276 79.062,143.238 76.012,140.188 75.974,140.142 75.946,140.09 75.929,140.034 75.924,139.975 75.924,135.8 72.8,132.676 68.777,132.676 68.777,153.34 141.29,153.34
GND2 on GROUND (split plane): 103.374,142.9 103.374,122.4 100.375,119.401 87.6,119.401 87.541,119.396 87.485,119.379 87.433,119.351 87.387,119.313 83.537,115.463 83.499,115.417 83.471,115.365 83.454,115.309 83.449,115.25 83.449,109.05 82.7,108.301 81.575,108.301 80.801,109.075 80.801,117.525 80.796,117.584 80.779,117.64 80.751,117.692 80.713,117.738 79.138,119.313 79.092,119.351 79.04,119.379 78.984,119.396 78.925,119.401 68.777,119.401 68.777,132.074 72.925,132.074 72.984,132.079 73.04,132.096 73.092,132.124 73.138,132.162 76.438,135.462 76.476,135.508 76.504,135.56 76.521,135.616 76.526,135.675 76.526,139.85 79.4,142.724 84.475,142.724 85.149,142.05 85.149,132.575 85.154,132.516 85.171,132.46 85.199,132.408 85.237,132.362 86.812,130.787 86.858,130.749 86.91,130.721 86.966,130.704 87.025,130.699 90.825,130.699 90.884,130.704 90.94,130.721 90.992,130.749 91.038,130.787 93.663,133.412 93.701,133.458 93.729,133.51 93.746,133.566 93.751,133.625 93.751,143.175 95.95,145.374 100.9,145.374
GND on GROUND (split plane): 167 vertices, not listed, extent 68.777,38.655 141.29,104.523
AGND on GROUND (split plane): 99.294,93.762 99.268,93.731 99.242,93.701 98.936,93.28 98.916,93.246 98.895,93.212 98.659,92.749 98.644,92.712 98.628,92.675 98.468,92.181 98.459,92.142 98.449,92.103 98.368,91.59 98.365,91.55 98.361,91.511 98.361,90.991 98.365,90.951 98.368,90.911 98.449,90.398 98.459,90.359 98.468,90.32 98.628,89.826 98.644,89.79 98.659,89.752 98.895,89.289 98.916,89.256 98.936,89.221 99.242,88.801 99.268,88.771 99.294,88.74 99.661,88.373 99.692,88.347 99.722,88.321 100.142,88.015 100.177,87.995 100.21,87.974 100.673,87.738 100.711,87.723 100.747,87.707 101.241,87.547 101.28,87.538 101.319,87.528 101.832,87.447 101.872,87.444 101.912,87.44 141.29,87.44 141.29,68.191 102.172,68.191 101.912,68.191 101.872,68.187 101.832,68.185 101.577,68.145 100.809,68.913 100.763,68.951 100.711,68.979 100.655,68.996 100.596,69.001 95.375,69.001 95.316,68.996 95.26,68.979 95.208,68.951 95.162,68.913 93.862,67.613 93.824,67.567 93.796,67.515 93.779,67.459 93.774,67.4 93.774,63.2 93.774,59.675 93.779,59.616 93.796,59.56 93.824,59.508 93.862,59.462 98.024,55.3 98.024,51.925 98.029,51.866 98.046,51.81 98.074,51.758 98.112,51.712 99.662,50.162 99.708,50.124 99.76,50.096 99.816,50.079 99.875,50.074 106.175,50.074 106.234,50.079 106.29,50.096 106.342,50.124 106.388,50.162 108.788,52.562 108.826,52.608 108.854,52.66 108.871,52.716 108.876,52.775 108.876,57.45 110.45,59.024 112.975,59.024 113.699,58.3 113.699,57.7 110.537,54.538 110.499,54.492 110.471,54.44 110.454,54.384 110.449,54.325 110.449,53.65 110.454,53.591 110.471,53.535 110.499,53.483 110.537,53.437 112.562,51.412 112.608,51.374 112.66,51.346 112.716,51.329 112.775,51.324 118.475,51.324 119.549,50.25 119.549,49.125 118.775,48.351 99.075,48.351 96.488,50.938 89.051,58.375 89.051,59.55 89.051,63.475 89.051,78.925 89.051,83.375 89.046,83.434 89.029,83.49 89.001,83.542 88.963,83.588 86.651,85.9 86.651,91.575 88.966,93.89 99.422,93.89

## Keep-outs
Keep-Out Layer:
  lines w0.6: 68.25,105 68.25,38.2 141.775,38.2 141.775,61.075 141.769,61.081 102.172,61.081 ; 102.172,87.95 cw(c102.175,91.25) 102.172,94.55 141.8,94.55 141.8,105 ; 102.172,87.951 141.799,87.951 141.799,67.701 141.8,67.7 102.191,67.7 ccw(c102.194,64.4) 102.191,61.1
  lines w1: 68.25,105 141.8,105

## Other copper
GROUND (plane layer: these items are gaps in the copper):
  lines w0.6: 68.25,132.375 72.925,132.375 76.225,135.675 76.225,139.975 79.275,143.025 84.6,143.025 85.45,142.175 85.45,132.575 87.025,131 90.825,131 93.45,133.625 93.45,143.3 95.825,145.675 101.025,145.675 103.675,143.025 103.675,122.275 100.5,119.1 88.575,119.1 87.6,119.1 83.75,115.25 83.75,108.925 82.825,108 81.45,108 80.5,108.95 80.5,117.525 78.925,119.1 68.275,119.1 ; 100.674,94.191 88.841,94.191 86.35,91.7 86.35,85.775 88.75,83.375 88.75,78.925 88.75,63.475 88.75,59.55 88.75,58.25 96.275,50.725 98.95,48.05 118.9,48.05 119.85,49 119.85,50.375 118.6,51.625 112.775,51.625 110.75,53.65 110.75,54.325 114,57.575 114,58.425 113.1,59.325 110.325,59.325 108.575,57.575 108.575,52.775 106.175,50.375 99.875,50.375 98.325,51.925 98.325,55.425 94.075,59.675 94.075,63.2 94.075,67.4 95.375,68.7 100.596,68.7 101.656,67.64
  lines w1: 68.275,105.025 141.775,105.025
POWER (plane layer: these items are gaps in the copper):
  lines w0.6: 68.3,70 68.3,67.85 77.725,67.85 80.425,65.15 80.425,62.725 81,62.15 82.025,62.15 82.775,62.9 82.775,65.925 84.875,68.025 84.875,70.9 ; 68.3,124.85 68.3,119.1 77.9,119.1 79.525,119.1 80.875,119.1 100.45,119.1 102.225,120.875 103.65,122.3 103.65,143.025 101,145.675 95.85,145.675 93.475,143.3 93.475,133.675 90.775,130.975 87.025,130.975 85.475,132.525 85.475,141.925 82.4,145 79.2,145 76.2,142 76.2,135.65 72.925,132.375 68.3,132.375 ; 85.6,108.8 85.625,108.8 ; 86.55,86.475 88.6,86.475 92.1,82.975 93.15,81.925 93.15,70.975 93.775,70.35 95.825,70.35 98.2,72.725 106.5,72.725 107.35,73.575 107.35,76.075 104.025,79.4 104.025,87.925 ; 98.912,64.897 93.703,64.897 87.7,70.9 84.875,70.9 ; 100.442,94.075 100.267,94.25 88.925,94.25 86.35,91.675 86.35,86.475 84.725,86.475 82.075,83.825 78.4,83.825 78.4,82.775 78.4,76.425 78.4,73.6 80.4,71.6 84.175,71.6 84.875,70.9
  lines w1: 68.275,105.025 141.775,105.025

## Silkscreen, mask and mechanical layers (free items; w line width, h text height)
Bottom Overlay:
  text "1" at 113.075,152.9 h0.25 r180
  text "2" at 116.675,152.9 h0.25 r180
  text "1" at 130,152.9 h0.25 r180
  text "2" at 133.7,152.9 h0.25 r180
  text "MOT2" at 131.625,139.4 h0.25 r180
  text "MOT1" at 114.75,139.375 h0.25 r180
  text "PELTIER" at 140.475,132.875 h0.25 r270
  text "NENBL1" at 90.775,124.65 h0.25 r180
  text "STEP" at 96.025,124.65 h0.25 r180
  text "DIR" at 85.975,124.6 h0.25 r180
  text "NSLP1" at 88.175,124.625 h0.25 r180
  text "PELCTRL" at 93.225,124.625 h0.25 r180
  text "GND" at 75.85,124.575 h0.25 r180
  text "VDD" at 78.3,124.575 h0.25 r180
  text "NSLP2" at 80.625,124.575 h0.25 r180
  text "NENBL2" at 82.9,124.575 h0.25 r180
  text "TO BOARD A" at 72.125,124.075 h0.25 r90
  text "+" at 140.925,113.117 h0.25 r180
  text "-" at 69.202,112.375 h0.25 r90
  text "VBB" at 69.2,111.625 h0.25 r90
  text "+" at 68.975,110.008 h0.25
  text "-" at 140.973,110 h0.25 r270
  text "VTCD" at 89.35,81.9 h0.25 r90
  text "VCC" at 73.15,78.85 h0.25
  text "+" at 69.025,76.908 h0.25
  text "STEP" at 69.075,63.15 h0.25 r270
  text "PELTIER" at 69.1,60.275 h0.25 r270
  text "BOOT0" at 139.575,59.9 h0.25
  text "SPI" at 120.05,58.525 h0.25 r90
  text "(0)" at 140.95,58.475 h0.25 r90
  text "NENBL1" at 69.1,57.85 h0.25 r270
  text "VDD" at 76.825,57.725 h0.25 r90
  text "CS1" at 124.575,56.325 h0.25
  text "SCLK" at 127.25,56.325 h0.25
  text "MOSI" at 132.35,56.325 h0.25
  text "GND" at 134.775,56.325 h0.25
  text "CS2" at 122,56.3 h0.25
  text "MISO" at 129.775,56.3 h0.25
  text "BOOT1" at 140.925,56.275 h0.25 r90
  text "SWD" at 90.25,55.625 h0.25
  text "NSLP1" at 69.1,55.525 h0.25 r270
  text "RESERVED" at 122.55,55.025 h0.25 r90
  text "GND" at 91.85,54.175 h0.25 r90
  text "(1)" at 140.95,53.4 h0.25 r90
  text "DIR" at 69.1,53.225 h0.25 r270
  text "WKUP" at 124.7,52.175 h0.25
  text "RES1" at 127.225,52.175 h0.25
  text "RES2" at 129.8,52.175 h0.25
  text "RES3" at 132.375,52.175 h0.25
  text "GND" at 134.825,52.175 h0.25
  text "NRST" at 91.85,51.75 h0.25 r90
  text "RST" at 78.85,51.45 h0.25
  text "TEST" at 85.45,51.45 h0.25
  text "BOOT0" at 94.35,50.65 h0.25
  text "UART(D)" at 129.775,50.25 h0.25
  text "I2C" at 135.225,50.225 h0.25
  text "UART(P)" at 139.8,50.225 h0.25
  text "NENBL2" at 69.1,50.15 h0.25 r270
  text "SWO" at 91.85,49.1 h0.25 r90
  text "GND" at 136.775,48.925 h0.25 r90
  text "GND" at 140.925,48.925 h0.25 r90
  text "(0)" at 95.625,48.575 h0.25 r90
  text "GND" at 127.075,48.275 h0.25 r270
  text "NSLP2" at 69.1,47.65 h0.25 r270
  text "SWCLK" at 91.85,46.8 h0.25 r90
  text "VDD" at 136.775,46.4 h0.25 r90
  text "TX" at 140.9,46.35 h0.25 r90
  text "TX" at 127.075,45.825 h0.25 r270
  text "BOOT0" at 95.625,45.675 h0.25 r90
  text "VDD" at 69.1,45.525 h0.25 r270
  text "SWDIO" at 91.85,44.25 h0.25 r90
  text "SDA" at 136.775,43.875 h0.25 r90
  text "RX" at 140.9,43.75 h0.25 r90
  text "(1)" at 95.65,43.525 h0.25 r90
  text "RX" at 127.075,43.225 h0.25 r270
  text "GND" at 69.1,42.925 h0.25 r270
  text "VDD" at 91.875,41.5 h0.25 r90
  text "SCL" at 136.775,41.35 h0.25 r90
  text "TO BOARD B" at 73.6,38.975 h0.25
Mechanical 1:
  lines w0.001: 142.172,61.081 102.172,61.081 cw(c102.172,64.381) 102.172,67.681 142.172,67.681 ; 142.172,87.951 102.172,87.951 cw(c102.172,91.251) 102.172,94.551 142.172,94.551
  lines w0.1: 142.172,61.081 142.172,67.681 ; 142.172,87.951 142.172,94.551 ; 68.267,38.145 141.8,38.145 141.8,153.85 68.267,153.85 68.267,38.145
Mechanical 4:
  lines w0.1: 67.843,77.817 142.096,77.817 ; 102.172,37.714 102.172,105 ; 115.607,37.714 115.607,105 ; 129.042,37.714 129.042,105